# Altium PCB roach2.PcbDoc (part 11 of 39) (continued)
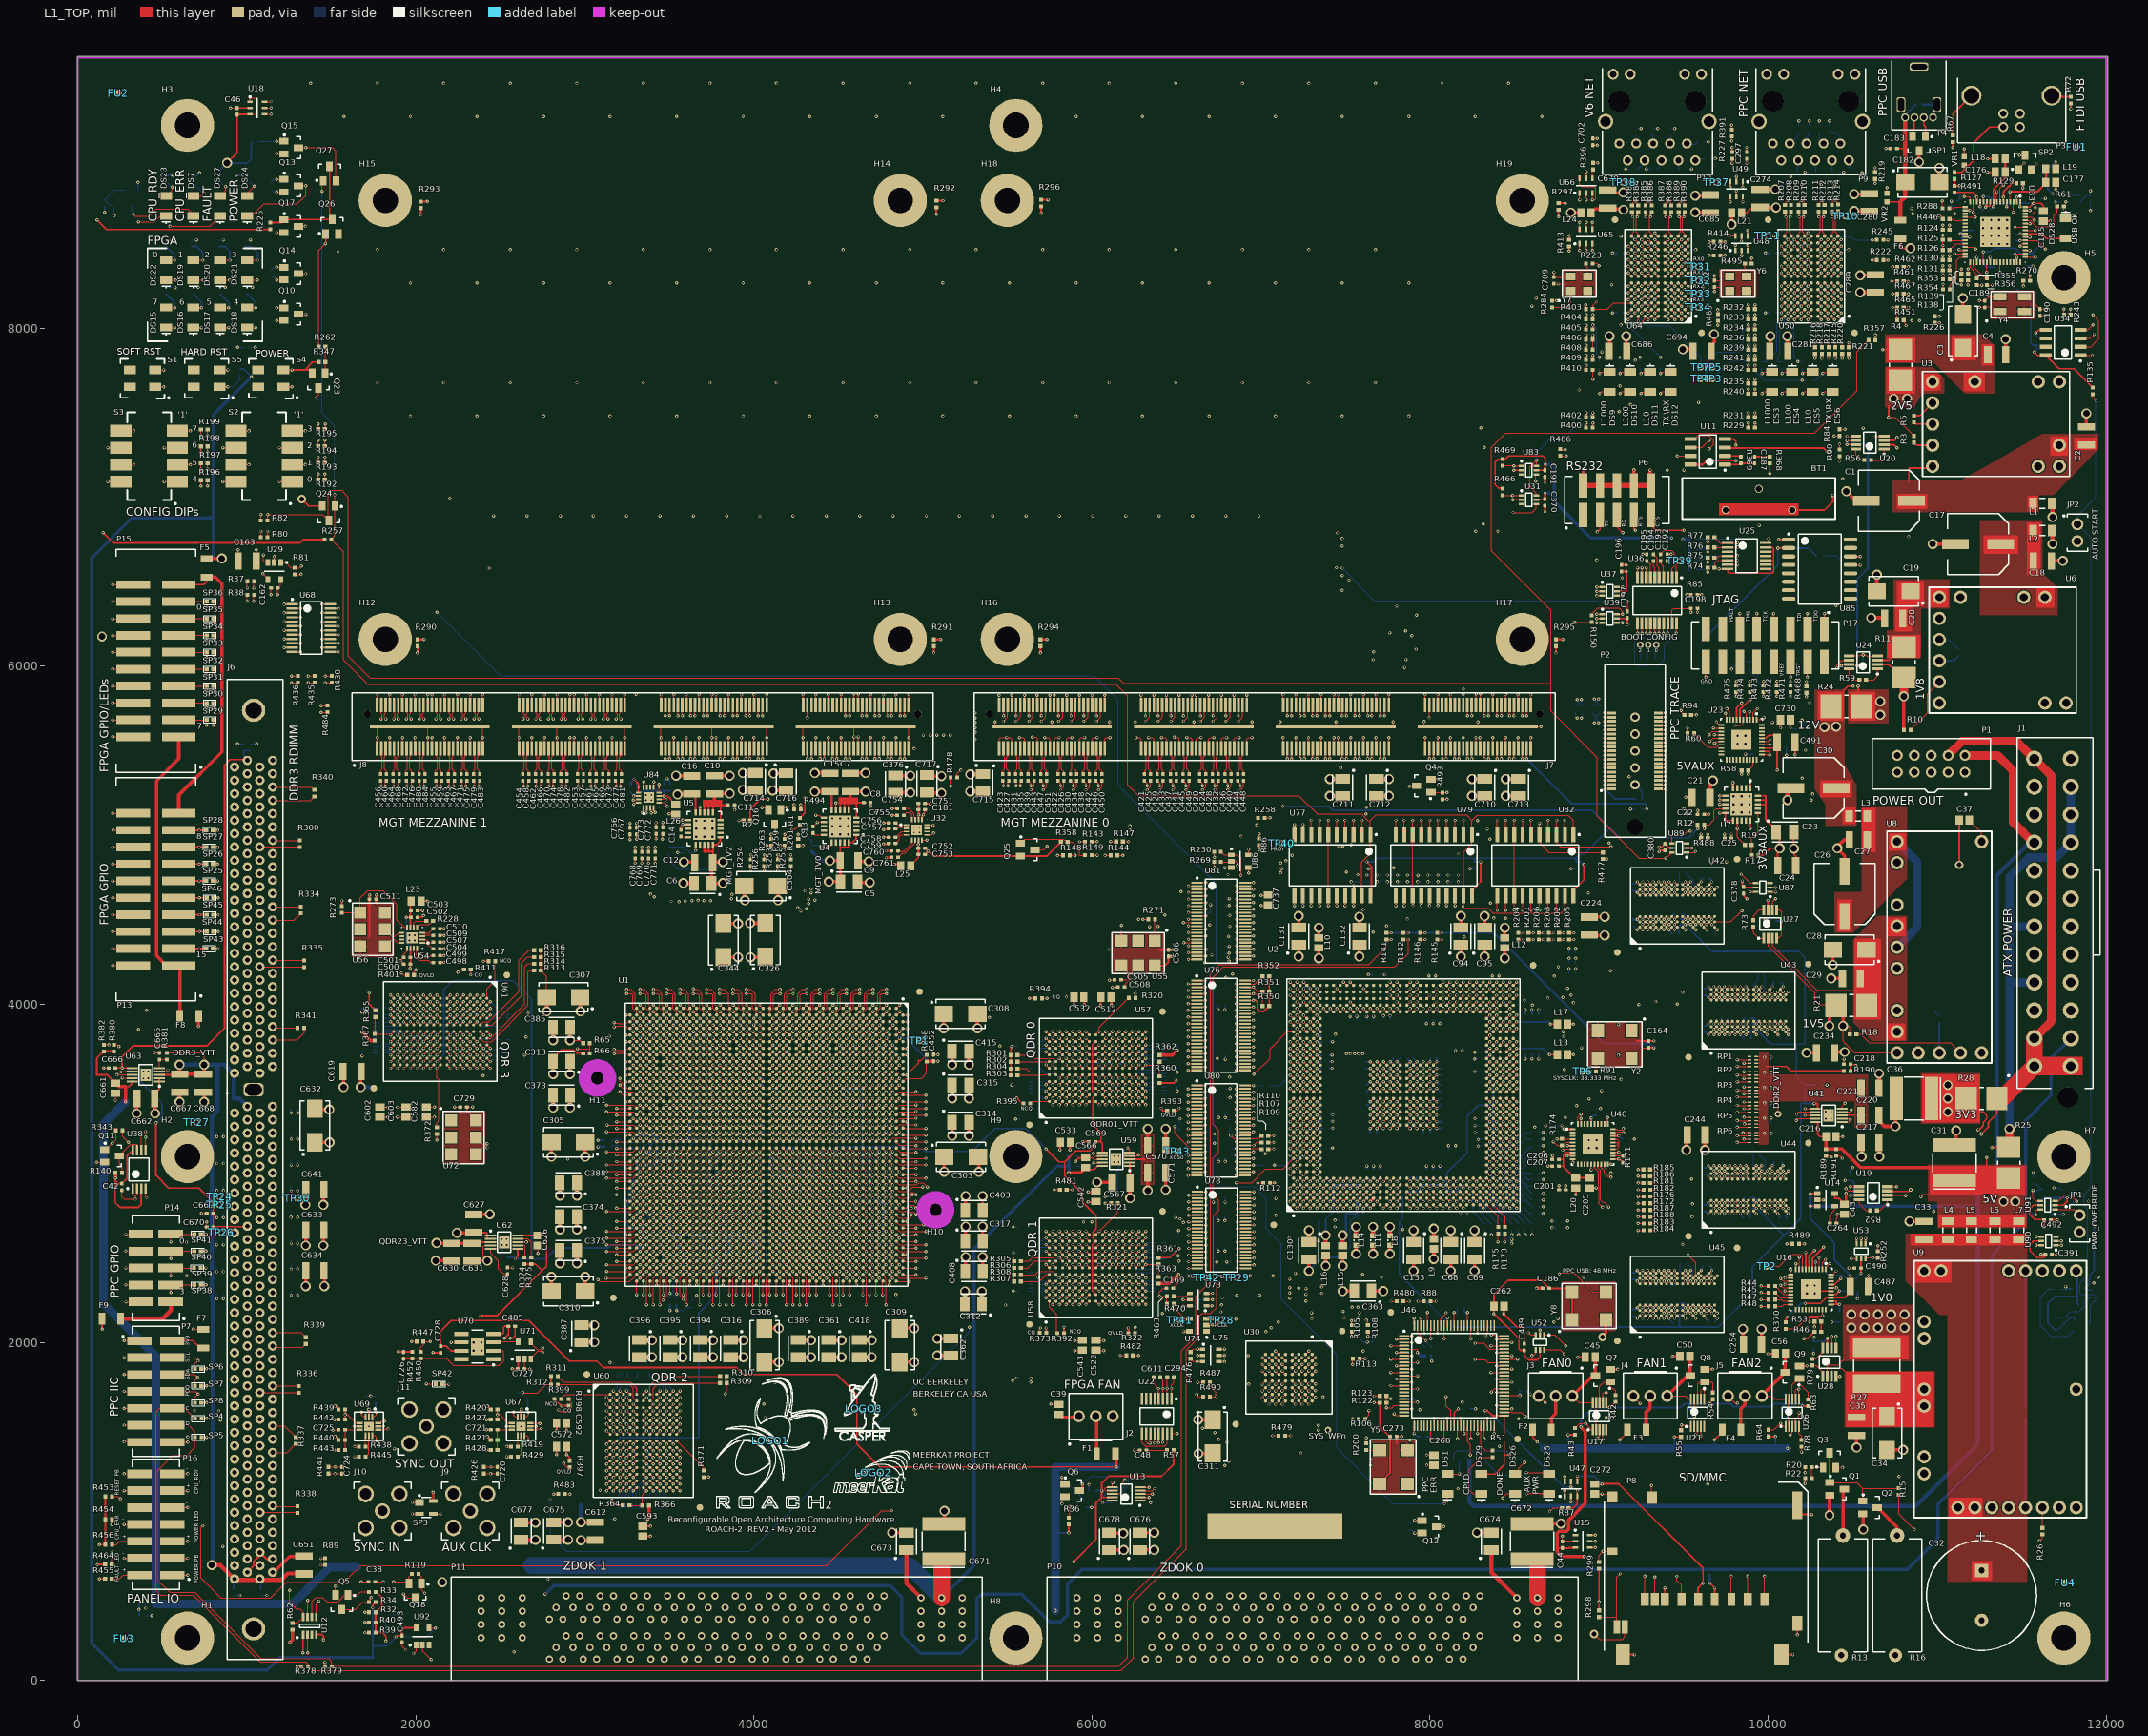
[diagram p0: L1_TOP view]
## Nets (pads, with @x,y where several pads share a name; then routed paths per layer and width w, separated by ;. In a path a pad name is that pad's centre, name@x,y a point inside that pad or via, vN(x,y) a via of type N, cw(c..) or ccw(c..) an arc to the next point about the centre after c; other vN are vias at no path point) (continued)
DDR2.DQS2: U2.AL16 U43.F7 | length 1915.4
  L1_TOP w5: U2.AL16@8374.49,3403.94 v1(8394.17,3384.25) ; v4(9805.12,4041.34) U43.F7@9820.87,4025.59
  L3_S w3.8: v2(9234.99,3998.99) 9250.99,3982.99 9630.39,3982.99 ccw(c9630.39,3986.79) 9634.19,3986.59 ; v4(9805.12,4041.34) 9805.12,3997.12 9790.99,3982.99 9708.99,3982.99 ccw(c9708.99,3978.59) 9704.59,3978.59 9704.59,3977.42 cw(c9700.19,3977.42) 9700.19,3973.02 cw(c9700.19,3977.42) 9695.79,3977.42 9695.79,3986.56 ccw(c9691.39,3986.56) 9691.39,3990.96 ccw(c9691.39,3986.56) 9686.99,3986.56 9686.99,3977.42 cw(c9682.59,3977.42) 9682.59,3973.02 cw(c9682.59,3977.42) 9678.19,3977.42 9678.19,3986.56 ccw(c9673.79,3986.56) 9673.79,3990.96 ccw(c9673.79,3986.56) 9669.39,3986.56 9669.39,3977.42 cw(c9664.99,3977.42) 9664.99,3973.02 cw(c9664.99,3977.42) 9660.59,3977.42 9660.59,3986.56 ccw(c9656.19,3986.56) 9656.19,3990.96 ccw(c9656.19,3986.56) 9651.79,3986.56 9651.79,3977.42 cw(c9647.39,3977.42) 9647.39,3973.02 cw(c9647.39,3977.42) 9642.99,3977.42 9642.99,3986.56 ccw(c9638.59,3986.56) 9638.59,3990.96 ccw(c9638.59,3986.56) 9634.2,3986.77 ; 9634.19,3986.59 ccw(c9630.39,3986.79) 9634.19,3986.77 ; 9634.19,3986.59 cw(c9638.59,3986.56) 9634.2,3986.77 ; 9634.19,3986.59 9634.19,3986.77
  L5_S w3.8: v1(8394.17,3384.25) 8417.94,3408.02 8417.94,3443.94 8438.99,3464.99 8520.99,3464.99 8688.99,3632.99 8889.05,3632.99 9130.59,3874.53 9130.59,3894.59 v2(9234.99,3998.99)
DDR2.DQS3: U2.AM13 U43.B7 | length 1780.8
  L1_TOP w5: U2.AM13@8413.86,3285.83 v1(8433.54,3266.14) ; v4(9679.13,4041.34) U43.B7@9694.88,4025.59
  L3_S w3.8: v2(9334.99,4016.99) 9654.79,4016.99 v4(9679.13,4041.34)
  L5_S w3.8: v1(8433.54,3266.14) 8449.14,3281.74 8541.74,3281.74 8630.99,3370.99 8861.96,3370.99 8905.96,3414.99 9012.99,3414.99 9234.99,3636.99 9234.99,3916.99 v2(9334.99,4016.99)
DDR2.DQS4: U2.AE3 U44.F7 | length 1759.3
  L1_TOP w5: U2.AE3@8138.27,2892.13 v1(8157.95,2872.44) ; v4(9805.12,2982.28) U44.F7@9820.87,2966.54
  L3_S w3.8: v1(8157.95,2872.44) 8176.51,2890.99 8638.99,2890.99 8648.99,2900.99 8904.99,2900.99 8924.99,2880.99 9168.99,2880.99 9208.99,2920.99 9743.83,2920.99 v4(9805.12,2982.28)
DDR2.DQS5: U2.AB4 U44.B7 | length 2068
  L1_TOP w5: U2.AB4@8020.16,2931.5 v1(8039.84,2911.81) ; v4(9679.13,2982.28) U44.B7@9694.88,2966.54
  L3_S w3.8: v1(8039.84,2911.81) 8049.19,2902.46 8049.19,2891.43 8056.99,2883.63 8056.99,2866.99 8068.99,2854.99 8123.2,2854.99 8134.18,2865.98 8134.18,2918.18 8144.99,2928.99 8654.3,2928.99 8664.22,2938.91 8715.08,2938.91 8742.59,2911.39 8809.45,2911.39 8811.05,2912.99 8916.99,2912.99 8939.76,2890.22 9015.25,2890.22 9022.02,2896.99 9154.3,2896.99 9215.9,2958.59 9241.39,2958.59 9252.99,2946.99 9384.99,2946.99 ccw(c9384.99,2951.39) 9389.39,2951.39 9389.39,2954.48 cw(c9393.79,2954.48) 9393.79,2958.88 cw(c9393.79,2954.48) 9398.19,2954.48 9398.19,2933.5 ccw(c9402.59,2933.5) 9402.59,2929.1 ccw(c9402.59,2933.5) 9406.99,2933.5 9406.99,2954.48 cw(c9411.39,2954.48) 9411.39,2958.88 cw(c9411.39,2954.48) 9415.79,2954.48 9415.79,2933.5 ccw(c9420.19,2933.5) 9420.19,2929.1 ccw(c9420.19,2933.5) 9424.59,2933.5 9424.59,2954.48 cw(c9428.99,2954.48) 9428.99,2958.88 cw(c9428.99,2954.48) 9433.39,2954.48 9433.39,2933.5 ccw(c9437.79,2933.5) 9437.79,2929.1 ccw(c9437.79,2933.5) 9442.19,2933.5 9442.19,2954.48 cw(c9446.59,2954.48) 9446.59,2958.88 cw(c9446.59,2954.48) 9450.99,2954.48 9450.99,2933.5 ccw(c9455.39,2933.5) 9455.39,2929.1 ccw(c9455.39,2933.5) 9459.79,2933.5 9459.79,2942.59 cw(c9464.19,2942.59) 9464.19,2946.99 9643.84,2946.99 v4(9679.13,2982.28)
DDR2.DQS6: U2.W4 U45.F7 | length 2025.6
  L1_TOP w5: U2.W4@7902.05,2931.5 v1(7921.73,2911.81) ; v4(9383.86,2362.2) U45.F7@9399.61,2346.46
  L5_S w3.8: v1(7921.73,2911.81) 7940.99,2892.55 7940.99,2791.75 8011.75,2720.99 8052.99,2720.99 8074.99,2698.99 8328.99,2698.99 8374.99,2652.99 8608.99,2652.99 8666.99,2594.99 9032.99,2594.99 ccw(c9032.99,2599.39) 9037.39,2599.39 9037.39,2605.49 cw(c9041.79,2605.49) 9041.79,2609.89 cw(c9041.79,2605.49) 9046.19,2605.49 9046.19,2588.5 ccw(c9050.59,2588.5) 9050.59,2584.1 ccw(c9050.59,2588.5) 9054.99,2588.5 9054.99,2605.49 cw(c9059.39,2605.49) 9059.39,2609.89 cw(c9059.39,2605.49) 9063.79,2605.49 9063.79,2588.5 ccw(c9068.19,2588.5) 9068.19,2584.1 ccw(c9068.19,2588.5) 9072.59,2588.5 9072.59,2605.49 cw(c9076.99,2605.49) 9076.99,2609.89 cw(c9076.99,2605.49) 9081.39,2605.49 9081.39,2588.5 ccw(c9085.79,2588.5) 9085.79,2584.1 ccw(c9085.79,2588.5) 9090.19,2588.5 9090.19,2590.59 cw(c9094.59,2590.59) 9094.59,2594.99 9296.99,2594.99 9399.46,2492.53 9399.46,2378.1 9383.86,2362.5 v4(9383.86,2362.2)
DDR2.DQS7: U2.U4 U45.B7 | length 2145.7
  L1_TOP w5: v1(7803.62,2911.81) U2.U4@7823.31,2931.5 ; v4(9257.87,2362.2) U45.B7@9273.62,2346.46
  L5_S w3.8: v1(7803.62,2911.81) 7850.99,2864.44 7850.99,2764.99 7888.99,2726.99 7930.99,2726.99 7958.99,2698.99 7958.99,2608.99 7974.99,2592.99 8064.99,2592.99 8118.99,2538.99 8824.19,2538.99 cw(c8824.19,2534.59) 8828.59,2534.59 8828.59,2509.36 ccw(c8832.99,2509.36) 8832.99,2504.96 ccw(c8832.99,2509.36) 8837.39,2509.36 8837.39,2542.62 cw(c8841.79,2542.62) 8841.79,2547.02 cw(c8841.79,2542.62) 8846.19,2542.62 8846.19,2509.36 ccw(c8850.59,2509.36) 8850.59,2504.96 ccw(c8850.59,2509.36) 8854.99,2509.36 8854.99,2542.62 cw(c8859.39,2542.62) 8859.39,2547.02 cw(c8859.39,2542.62) 8863.79,2542.62 8863.79,2509.36 ccw(c8868.19,2509.36) 8868.19,2504.96 ccw(c8868.19,2509.36) 8872.59,2509.36 8872.59,2534.59 cw(c8876.99,2534.59) 8876.99,2538.99 9210.99,2538.99 9273.47,2476.51 9273.47,2377.8 v4(9257.87,2362.2)
DDR2.ODT: R285.2 RP6.2 U42.K9 U43.K9 U44.K9 U45.K9 | length 4415.6
  L1_TOP w5: U45.K9@9525.59,2409.45 v4(9541.34,2425.2) ; U42.K9@9525.59,4708.66 v4(9541.34,4724.41) ; v2@9816.99,3221.83 9817.31,3221.83 RP6.2@9889.31,3221.83 RP6.2@9897.31,3221.83 ; U44.K9@9946.85,3029.53 v4(9962.6,3045.28) ; U43.K9@9946.85,4088.58 v4(9962.6,4104.33)
  L5_S w3.8: v2(9817.31,3222.15) 9742.99,3296.46 9742.99,3688.99 9835.49,3781.49 9878.49,3781.49 9895.99,3798.99 9895.99,3957.99 9947,4009 9947,4088.43 9962.6,4104.03 v4(9962.6,4104.33)
  L9_R w3.8: v4(9541.34,2425.2) 9858.13,2741.99 9870.35,2741.99 9901.99,2773.63 9901.99,2885.99 9947,2931 9947,3029.68 v4(9962.6,3045.28)
  L12_S w3.8: v2(9817.31,3222.15) 9836.99,3202.46 9836.99,3195.99 9962.6,3070.39 v4(9962.6,3045.28)
  L14_S w3.8: v2(8813.99,2717.99) 8858.99,2762.99 8904.99,2762.99 9096.99,2954.99 9096.99,3030.99 9288.83,3222.83 9816.62,3222.83 v2(9817.31,3222.15) ; v4(9541.34,4724.41) 9556.94,4708.81 9556.94,4395.05 9643.99,4307.99 9814.99,4307.99 9962.6,4160.39 v4(9962.6,4104.33)
  L16_BOT w5: R285.2@8787.68,2717.99 v2(8813.99,2717.99)
DDR2.RASN: R168.2 RP5.4 U42.K7 U43.K7 U44.K7 U45.K7 | length 4929.7
  L1_TOP w5: U45.K7@9525.59,2346.46 v4(9541.34,2362.2) ; U42.K7@9525.59,4645.67 v4(9541.34,4661.42) ; v2@9817.31,3272.46 RP5.4@9889.31,3272.46 RP5.4@9897.31,3272.46 ; U44.K7@9946.85,2966.54 v4(9962.6,2982.28) ; U43.K7@9946.85,4025.59 v4(9962.6,4041.34)
  L12_S w3.8: v4(9541.34,2362.2) 9541.34,2362.5 9525.74,2378.1 9525.74,2476.74 9729.99,2680.99 9818.99,2680.99 9903.99,2765.99 9903.99,2861.99 9962.6,2920.6 v4(9962.6,2982.28) ; v4(9541.34,4661.42) 9484.68,4604.76 9484.68,4426.3 9723.99,4186.99 9918.99,4186.99 9947,4158.99 9947,4056.94 v4(9962.6,4041.34) 9914.25,3992.99 9868.99,3992.99 9852.51,3976.51 9852.51,3804.51 9756.99,3708.99 9756.99,3333.09 v2(9817.31,3272.78)
  L14_S w3.8: v2(8563.31,2635.31) 8582.99,2654.99 8722.99,2654.99 8788.99,2720.99 8788.99,2744.99 8846.99,2802.99 8890.99,2802.99 8952.99,2864.99 8952.99,2940.99 8964.99,2952.99 9012.99,2952.99 9032.99,2972.99 9032.99,3064.99 9094.99,3126.99 9094.99,3136.99 9231.46,3273.46 v2@9816.62,3273.46 ; v2(9817.31,3272.78) 9861.21,3272.78 9946.99,3186.99 9946.99,2997.89 v4(9962.6,2982.28)
  L16_BOT w5: v2@8562.99,2635.62 R168.2@8562.99,2663.31
DDR2.SN: R286.2 RP6.3 U42.L8 U43.L8 U44.L8 U45.L8 | length 4528
  L1_TOP w5: v2(9525.99,2516.99) 9572.83,2470.15 v4(9572.83,2393.7) U45.L8@9557.09,2377.95 ; U42.L8@9557.09,4677.17 v4(9572.83,4692.91) ; v2@9857.46,3202.15 RP6.3@9889.31,3202.15 ; U44.L8@9978.35,2998.03 v4(9994.09,3013.78) ; U43.L8@9978.35,4057.09 v4(9994.09,4072.83)
  L3_S w3.8: v2(9525.99,2516.99) 9525.99,2520.99 9658.99,2653.99 9821.99,2653.99 9897.99,2729.99 ; 9897.99,2726.99 9897.99,2729.99 ; v4(9994.09,3013.78) 9978.49,2998.18 9978.49,2936.49 9897.99,2855.99 9897.99,2729.99
  L5_S w3.8: v2(9857.46,3202.46) 9857.46,3210.52 9762.99,3304.99 9762.99,3679.99 9850.99,3767.99 9900.99,3767.99 9910.99,3777.99 9910.99,3942.99 9978.49,4010.49 9978.49,4056.94 9994.09,4072.54 v4(9994.09,4072.83)
  L12_S w3.8: v2(9857.46,3202.46) 9900.52,3202.46 9994.09,3108.89 v4(9994.09,3013.78)
  L14_S w3.8: v2(8813.99,2677.99) 8843.99,2677.99 9120.99,2954.99 9120.99,3022.99 9301.15,3203.15 v2@9856.78,3203.15 ; v4(9572.83,4692.91) 9572.83,4692.62 9588.43,4677.02 9588.43,4636.55 9651.72,4573.26 9651.72,4456.26 9704.99,4402.99 9788.99,4402.99 9994.09,4197.89 v4(9994.09,4072.83)
  L16_BOT w5: R286.2@8787.68,2677.99 v2(8813.99,2677.99)
DDR2.WEN: R170.2 RP6.4 U42.K3 U43.K3 U44.K3 U45.K3 | length 5079.2
  L1_TOP w5: U45.K3@9525.59,2220.47 v4(9541.34,2204.72) ; U42.K3@9525.59,4519.68 v4(9541.34,4503.94) ; v2@9816.99,3182.46 RP6.4@9889.31,3182.46 RP6.4@9897.31,3182.46 ; U44.K3@9946.85,2840.55 v4(9962.6,2824.8) ; U43.K3@9946.85,3899.61 v4(9962.6,3883.86)
  L3_S w3.8: v2(9817.31,3182.78) 9793.91,3206.18 9793.91,3681.84 9899.31,3787.24 9899.31,3842.63 9924.64,3867.96 9946.7,3867.96 v4(9962.6,3883.86)
  L8_R w3.8: v4(9541.34,4503.94) 9557.23,4488.04 9557.23,4379.75 9610.99,4325.99 9828.99,4325.99 9947,4207.99 9947,3980.99 9962.6,3965.39 v4(9962.6,3883.86)
  L12_S w3.8: v2(9495,2580) 9482.99,2567.99 9482.99,2263.07 v4(9541.34,2204.72)
  L14_S w3.8: v2(8482.99,2584.99) 8772.99,2584.99 9148.99,2960.99 9148.99,3018.99 9313.46,3183.46 9816.62,3183.46 v2(9817.31,3182.78) 9848.21,3182.78 9904.99,3125.99 9904.99,2882.41 v4(9962.6,2824.8) 9946.7,2808.91 9946.7,2714.7 9928.99,2696.99 9611.99,2696.99 v2(9495,2580)
  L16_BOT w5: R170.2@8402.99,2663.31 8402.99,2662.99 8480.99,2584.99 v2(8482.99,2584.99)
DDR2_VREF: C211.1 C212.2 C213.2 C214.2 C215.2 C219.2 C222.2 C223.2 C232.2 C233.2 C242.2 C243.2 C252.2 C253.2 U2.AF4 U2.AL10 U2.AL19 U2.Y4 U41.6 U42.J2 U43.J2 U44.J2 U45.J2 | length 8595.4
  L1_TOP w5: U2.Y4@7941.42,2931.5 v1(7961.1,2911.81) ; U2.AF4@8177.64,2931.5 v1(8197.32,2911.81) ; U2.AL10@8374.49,3167.72 v1(8394.17,3148.03) ; U2.AL19@8374.49,3522.05 v1(8394.17,3541.73) ; U45.J2@9494.09,2188.98 v4(9509.84,2173.23) ; U42.J2@9494.09,4488.19 v4(9509.84,4472.44) ; U44.J2@9915.35,2809.06 v4(9931.1,2793.31) ; U43.J2@9915.35,3868.11 v4(9931.1,3852.36) ; v2(10218.99,3382.36) U41.6@10277.28,3382.36
  L1_TOP w10: v2(10272.99,3412.99) 10292.99,3412.99 U41.6@10292.99,3382.99
  L16_BOT w10: C214.2@7942.91,2889.76 C214.2@7940.94,2891.73 ; 7947.99,2922.99 7959.17,2911.81 v1(7961.1,2911.81) ; 8098.82,2932.68 8098.82,3002.36 8218.5,3122.05 8218.5,3338.58 8283.46,3403.54 8374.02,3403.54 ; C212.2@8175.2,2931.1 8175.84,2931.1 C212.2@8176.45,2930.49 ; v1@8197.99,2918.99 8197.99,2930.99 8197.88,2931.1 C212.2@8177.17,2931.1 8176.65,2930.59 8176.65,2904.06 8165.7,2893.11 8110.84,2893.11 8098.99,2904.96 8098.99,2930.99 7955,2930.99 7940.94,2916.93 C214.2@7940.94,2891.73 ; C213.2@8372.05,3523.62 C213.2@8374.02,3521.65 8374.02,3403.54 ; C215.2@8374.02,3165.35 8376.85,3165.35 v1(8394.17,3148.03) ; C215.2@8374.02,3167.32 8374.02,3403.54 ; C213.2@8374.02,3523.62 8393.15,3542.76 v1@8393.7,3543.31 ; C222.2@9472.68,4417.99 9472.68,4452.68 C223.2@9477.99,4457.99 ; C253.2@9472.99,2167.99 9475.05,2165.94 C253.2@9475.05,2163.85 ; C223.2@9477.99,4467.99 9478.97,4468.97 9482.44,4472.44 9482.71,4472.44 v4@9508.54,4472.44 ; v4@9507.99,2172.99 9498.85,2163.85 C253.2@9475.05,2163.85 ; v4@9507.99,4472.99 v4@9508.54,4472.44 ; v4(9509.84,4472.44) v4@9508.54,4472.44 ; C242.2@9893.84,2736.52 9893.84,2773.84 C243.2@9897.99,2777.99 ; C232.2@9897.64,3795.28 9897.68,3797.99 9897.68,3844.41 9897.68,3847.68 C233.2@9897.99,3847.99 ; C233.2@9901.01,3844.41 9919.41,3844.41 9927.99,3852.99 9929.86,3851.12 10015.99,3764.99 10167.99,3764.99 ; C243.2@9902.99,2788.31 9902.99,2792.99 9903.31,2793.31 v4(9931.1,2793.31) ; 9907.48,2291.34 9907.48,2292.48 ; 9907.99,2292.99 9907.48,2292.48 ; v4@9932.99,2792.99 10093.31,2632.68 ; v2(10272.99,3412.99) 10217.99,3412.99 ; C219.2@10283.31,3522.99 10217.99,3522.99 ; C214.2@7940.94,2891.73 7864.17,2891.73 7838.58,2866.14 C211.1@7838.58,2734.25 7817.99,2713.66 7817.99,2402.99 8130.43,2090.55 9474.99,2090.55 ; 9474.99,2090.55 9705.55,2090.55 9907.48,2292.48 ; 9474.99,2090.55 9475.05,2090.61 C252.2@9475.05,2114.64 C253.2@9475.05,2163.85 ; v4@9508.54,4472.44 9509.19,4471.79 9665.81,4315.18 9667.99,4312.99 10182.99,4312.99 10217.99,4277.99 10217.99,3766.99 10215.99,3764.99 10167.99,3764.99 ; 9907.48,2292.48 9907.48,2446.85 10093.31,2632.68 ; 10093.31,2632.68 10192.99,2732.36 10192.99,3412.99 10217.99,3412.99 ; 10167.99,3764.99 10167.99,3572.99 10217.99,3522.99 ; 10217.99,3412.99 10217.99,3522.99
DDR2_VTT: C202.2 C203.2 C204.2 C208.2 C209.2 C210.2 C220.2 C221.2 pad.0@10059.06,3350.39 R190.1 RP1.5 RP1.6 RP1.7 RP1.8 RP2.5 RP2.6 RP2.7 RP2.8 RP3.5 RP3.6 RP3.7 RP3.8 RP4.5 RP4.6 RP4.7 RP4.8 RP5.5 RP5.6 RP5.7 RP5.8 RP6.5 RP6.6 RP6.7 RP6.8 U41.3 | length 1326.3
  L1_TOP w5: RP6.5@9928.68,3182.46 9951.36,3182.46 ; RP6.6@9928.68,3202.15 9951.36,3202.15 ; RP6.7@9928.68,3221.83 9951.36,3221.83 ; RP6.8@9928.68,3241.52 9951.36,3241.52 ; RP5.5@9928.68,3272.46 9951.36,3272.46 ; RP5.6@9928.68,3292.15 9951.36,3292.15 ; RP5.7@9928.68,3311.83 9951.36,3311.83 ; RP5.8@9928.68,3331.52 9951.36,3331.52 ; RP4.5@9928.68,3362.46 9951.36,3362.46 ; RP4.6@9928.68,3382.15 9951.36,3382.15 ; RP4.7@9928.68,3401.83 9951.36,3401.83 ; RP4.8@9928.68,3421.52 9951.36,3421.52 ; RP3.5@9928.68,3452.46 9951.36,3452.46 ; RP3.6@9928.68,3472.15 9951.36,3472.15 ; RP3.7@9928.68,3491.83 9951.36,3491.83 ; RP3.8@9928.68,3511.52 9951.36,3511.52 ; RP2.5@9928.68,3542.46 9951.36,3542.46 ; RP2.6@9928.68,3562.15 9951.36,3562.15 ; RP2.7@9928.68,3581.83 9951.36,3581.83 ; RP2.8@9928.68,3601.52 9951.36,3601.52 ; RP1.5@9928.68,3632.46 9951.36,3632.46 ; RP1.6@9928.68,3652.15 9951.36,3652.15 ; RP1.7@9928.68,3671.83 9951.36,3671.83 ; RP1.8@9928.68,3691.52 9951.36,3691.52 ; 10055.12,3437.01 10059.06,3433.07 pad.0@10059.06,3350.39
  L1_TOP w8: 9985.69,3631.63 10108.36,3631.63 10133.99,3605.99 R190.1@10448.31,3605.99 ; U41.3@10438.7,3342.99 10510.99,3342.99
  L16_BOT w5: C203.2@9978.68,3211.99 v8@9978.68,3236.68 ; C202.2@9978.68,3301.99 v8@9978.68,3326.68 ; C204.2@9978.68,3391.99 v8@9978.68,3416.68 ; C208.2@9978.68,3481.99 v8@9978.68,3506.68 ; C209.2@9978.68,3571.99 v8@9978.68,3596.68 ; C210.2@9978.68,3661.99 v8@9978.68,3686.68
  other v8: 9978.99,3236.99 9978.99,3326.99 9978.99,3416.99 9978.99,3506.99 9978.99,3596.99 9978.99,3686.99
DDR3.A0: J6.188 U1.BB38 | length 3145.5
  L1_TOP w5: v2(3188.08,2518.15) U1.BB38@3266.82,2518.15
  L12_S w3.8: J6.188@1077.8,2647.72 1221,2647.72 ccw(c1221,2655.52) 1228.81,2655.52 1228.81,2790.24 cw(c1236.61,2790.24) 1236.61,2798.04 cw(c1236.61,2790.24) 1244.42,2790.24 1244.42,2647.72 1244.42,2614.33 ccw(c1252.22,2614.33) 1252.22,2606.53 ccw(c1252.22,2614.33) 1260.03,2614.33 1260.03,2647.72 1260.03,2710.35 cw(c1267.83,2710.35) 1267.83,2718.16 cw(c1267.83,2710.35) 1275.64,2710.35 1275.64,2647.72 1275.64,2607.05 ccw(c1283.44,2607.05) 1283.44,2599.25 ccw(c1283.44,2607.05) 1291.25,2607.05 1291.25,2647.72 1291.25,2710.57 cw(c1299.05,2710.57) 1299.05,2718.38 cw(c1299.05,2710.57) 1306.86,2710.57 1306.86,2647.72 1306.86,2613.82 ccw(c1314.67,2613.82) 1314.67,2606.01 ccw(c1314.67,2613.82) 1322.47,2613.82 1322.47,2639.91 cw(c1330.28,2639.91) 1330.28,2647.72 1352.27,2647.72 1406.99,2592.99 1406.99,2546.99 1482.99,2470.99 1810.99,2470.99 1856.99,2424.99 2485.28,2424.99 2518.56,2458.28 2793.18,2458.28 2838.32,2503.42 3129.42,2503.42 3144.15,2518.15 v2(3188.08,2518.15)
DDR3.A1: J6.181 U1.BB37 | length 3145.5
  L1_TOP w5: v2(3188.08,2557.52) U1.BB37@3266.82,2557.52
  L12_S w3.8: J6.181@1152.6,2923.31 1330.68,2923.31 1396.99,2856.99 1396.99,2744.99 1600.99,2540.99 1854,2540.99 ccw(c1854,2548.8) 1861.81,2548.8 1861.81,2553.1 cw(c1869.61,2553.1) 1869.61,2560.91 cw(c1869.61,2553.1) 1877.42,2553.1 1877.42,2540.99 1877.42,2471.12 ccw(c1885.22,2471.12) 1885.22,2463.31 ccw(c1885.22,2471.12) 1893.03,2471.12 1893.03,2540.99 1893.03,2553.1 cw(c1900.83,2553.1) 1900.83,2560.91 cw(c1900.83,2553.1) 1908.64,2553.1 1908.64,2540.99 1908.64,2465.46 ccw(c1916.44,2465.46) 1916.44,2457.65 ccw(c1916.44,2465.46) 1924.25,2465.46 1924.25,2533.19 cw(c1932.05,2533.19) 1932.05,2540.99 1933.79,2540.99 1953.79,2520.99 1970,2520.99 ccw(c1970,2528.8) 1977.81,2528.8 1977.81,2555.39 cw(c1985.61,2555.39) 1985.61,2563.19 cw(c1985.61,2555.39) 1993.42,2555.39 1993.42,2520.99 1993.42,2463.17 ccw(c2001.22,2463.17) 2001.22,2455.36 ccw(c2001.22,2463.17) 2009.03,2463.17 2009.03,2520.99 2009.03,2555.39 cw(c2016.83,2555.39) 2016.83,2563.19 cw(c2016.83,2555.39) 2024.64,2555.39 2024.64,2520.99 2024.64,2463.17 ccw(c2032.44,2463.17) 2032.44,2455.36 ccw(c2032.44,2463.17) 2040.25,2463.17 2040.25,2516.24 cw(c2045,2516.24) 2045,2520.99 2164.99,2520.99 2182.99,2538.99 2466.99,2538.99 2486.99,2518.99 2676.99,2518.99 2711.19,2553.19 3044.22,2553.19 3048.55,2557.52 v2(3188.08,2557.52)
DDR3.A2: J6.61 U1.BA37 | length 3145.5
  L1_TOP w5: v2(3129.02,2537.83) 3286.5,2537.83 U1.BA37@3306.19,2557.52
  L12_S w3.8: J6.61@1002.99,2923.31 1102.68,2923.31 1142.99,2882.99 1253.39,2882.99 1256.84,2879.53 1309.14,2879.53 1312.6,2882.99 1350.99,2882.99 1383.42,2850.56 1383.42,2708.56 1584.99,2506.99 ccw(c1584.99,2514.8) 1592.8,2514.8 1592.8,2523.45 cw(c1600.6,2523.45) 1600.6,2531.25 cw(c1600.6,2523.45) 1608.41,2523.45 1608.41,2506.99 1608.41,2488.54 ccw(c1616.21,2488.54) 1616.21,2480.73 ccw(c1616.21,2488.54) 1624.02,2488.54 1624.02,2506.99 1624.02,2523.44 cw(c1631.83,2523.44) 1631.83,2531.25 cw(c1631.83,2523.44) 1639.63,2523.44 1639.63,2506.99 1639.63,2488.54 ccw(c1647.44,2488.54) 1647.44,2480.73 ccw(c1647.44,2488.54) 1655.24,2488.54 1655.24,2506.99 1655.24,2523.44 cw(c1663.05,2523.44) 1663.05,2531.25 cw(c1663.05,2523.44) 1670.85,2523.44 1670.85,2506.99 1670.85,2488.54 ccw(c1678.66,2488.54) 1678.66,2480.73 ccw(c1678.66,2488.54) 1686.46,2488.54 1686.46,2499.19 cw(c1694.27,2499.19) 1694.27,2506.99 1702.07,2506.99 1704.99,2506.99 cw(c1704.99,2499.19) 1712.8,2499.19 1712.8,2488.54 ccw(c1720.6,2488.54) 1720.6,2480.73 ccw(c1720.6,2488.54) 1728.41,2488.54 1728.41,2506.99 1728.41,2523.44 cw(c1736.21,2523.44) 1736.21,2531.25 cw(c1736.21,2523.44) 1744.02,2523.44 1744.02,2506.99 1744.02,2488.54 ccw(c1751.83,2488.54) 1751.83,2480.73 ccw(c1751.83,2488.54) 1759.63,2488.54 1759.63,2506.99 1759.63,2523.44 cw(c1767.44,2523.44) 1767.44,2531.25 cw(c1767.44,2523.44) 1775.24,2523.44 1775.24,2506.99 1775.24,2488.54 ccw(c1783.05,2488.54) 1783.05,2480.73 ccw(c1783.05,2488.54) 1790.85,2488.54 1790.85,2499.19 cw(c1798.66,2499.19) 1798.66,2506.99 1824.99,2506.99 1884.42,2447.56 2153.56,2447.56 2230.99,2524.99 2454.99,2524.99 2480.99,2498.99 2500.99,2498.99 2526.99,2472.99 2728.99,2472.99 2793.83,2537.83 v2(3129.02,2537.83)
DDR3.A3: J6.180 U1.BA36 | length 3145.5
  L1_TOP w5: v2(3129.02,2577.2) 3286.5,2577.2 U1.BA36@3306.19,2596.89
  L12_S w3.8: J6.180@1077.8,2962.68 1079.69,2960.79 1309.2,2960.79 1406.99,2862.99 1406.99,2760.99 1596.99,2570.99 1616,2570.99 ccw(c1616,2578.8) 1623.81,2578.8 1623.81,2583.08 cw(c1631.61,2583.08) 1631.61,2590.89 cw(c1631.61,2583.08) 1639.42,2583.08 1639.42,2570.99 1639.42,2556.9 ccw(c1647.22,2556.9) 1647.22,2549.1 ccw(c1647.22,2556.9) 1655.03,2556.9 1655.03,2570.99 1655.03,2583.08 cw(c1662.83,2583.08) 1662.83,2590.89 cw(c1662.83,2583.08) 1670.64,2583.08 1670.64,2570.99 1670.64,2556.9 ccw(c1678.44,2556.9) 1678.44,2549.1 ccw(c1678.44,2556.9) 1686.25,2556.9 1686.25,2570.99 1686.25,2583.08 cw(c1694.05,2583.08) 1694.05,2590.89 cw(c1694.05,2583.08) 1701.86,2583.08 1701.86,2570.99 1701.86,2556.9 ccw(c1709.67,2556.9) 1709.67,2549.1 ccw(c1709.67,2556.9) 1717.47,2556.9 1717.47,2570.99 1717.47,2583.08 cw(c1725.28,2583.08) 1725.28,2590.89 cw(c1725.28,2583.08) 1733.08,2583.08 1733.08,2570.99 1733.08,2556.9 ccw(c1740.89,2556.9) 1740.89,2549.1 ccw(c1740.89,2556.9) 1748.69,2556.9 1748.69,2570.99 1748.69,2583.08 cw(c1756.5,2583.08) 1756.5,2590.89 cw(c1756.5,2583.08) 1764.3,2583.08 1764.3,2570.99 1764.3,2556.9 ccw(c1772.11,2556.9) 1772.11,2549.1 ccw(c1772.11,2556.9) 1779.92,2556.9 1779.92,2570.99 1779.92,2583.08 cw(c1787.72,2583.08) 1787.72,2590.89 cw(c1787.72,2583.08) 1795.53,2583.08 1795.53,2570.99 1795.53,2556.9 ccw(c1803.33,2556.9) 1803.33,2549.1 ccw(c1803.33,2556.9) 1811.14,2556.9 1811.14,2570.99 1811.14,2583.08 cw(c1818.94,2583.08) 1818.94,2590.89 cw(c1818.94,2583.08) 1826.75,2583.08 1826.75,2570.99 1826.75,2556.9 ccw(c1834.55,2556.9) 1834.55,2549.1 ccw(c1834.55,2556.9) 1842.36,2556.9 1842.36,2570.99 1842.36,2583.08 cw(c1850.16,2583.08) 1850.16,2590.89 cw(c1850.16,2583.08) 1857.97,2583.08 1857.97,2578.8 ccw(c1865.78,2578.8) 1865.78,2570.99 ccw(c1865.78,2578.8) 1873.58,2578.8 1873.58,2583.08 cw(c1881.39,2583.08) 1881.39,2590.89 cw(c1881.39,2583.08) 1889.19,2583.08 1889.19,2578.8 ccw(c1897,2578.8) 1897,2570.99 ccw(c1897,2578.8) 1904.8,2578.8 1904.8,2583.08 cw(c1912.61,2583.08) 1912.61,2590.89 cw(c1912.61,2583.08) 1920.41,2583.08 1920.41,2570.99 1920.41,2556.58 ccw(c1928.22,2556.58) 1928.22,2548.78 ccw(c1928.22,2556.58) 1936.03,2556.58 1936.03,2570.99 1936.03,2583.08 cw(c1943.83,2583.08) 1943.83,2590.89 cw(c1943.83,2583.08) 1951.64,2583.08 1951.64,2578.8 ccw(c1959.44,2578.8) 1959.44,2570.99 2009.03,2570.99 2030.99,2570.99 2068.99,2532.99 2156.99,2532.99 2170.99,2546.99 2476.99,2546.99 2490.99,2532.99 2664.99,2532.99 2692.99,2560.99 3040.99,2560.99 3057.2,2577.2 v2(3129.02,2577.2)
DDR3.A4: J6.59 U1.BB36 | length 3145.5
  L1_TOP w5: v2(3188.08,2596.89) U1.BB36@3266.82,2596.89
  L12_S w3.8: J6.59@1002.99,3002.05 1004.88,3000.16 1107.17,3000.16 1138.74,2968.59 1329.4,2968.59 1417.92,2880.07 1417.92,2772.07 1446.39,2743.6 ccw(c1451.91,2749.12) 1457.43,2743.6 1499.19,2785.36 cw(c1504.71,2779.84) 1510.23,2785.36 cw(c1504.71,2779.84) 1510.23,2774.33 1462.95,2727.04 ccw(c1468.43,2721.55) 1462.95,2716.07 1463.01,2716 ccw(c1468.5,2721.49) 1473.98,2716 1521.27,2763.29 cw(c1526.79,2757.77) 1532.31,2763.29 cw(c1526.79,2757.77) 1532.31,2752.25 1485.02,2704.96 ccw(c1490.51,2699.48) 1485.02,2693.99 1485.09,2693.92 ccw(c1490.58,2699.41) 1496.06,2693.92 1543.35,2741.21 cw(c1548.87,2735.69) 1554.39,2741.21 cw(c1548.87,2735.69) 1554.39,2730.17 1507.1,2682.88 ccw(c1512.59,2677.4) 1507.1,2671.91 1507.17,2671.85 ccw(c1512.65,2677.33) 1518.14,2671.85 1565.43,2719.13 cw(c1570.94,2713.61) 1576.46,2719.13 cw(c1570.94,2713.61) 1576.46,2708.09 1534.7,2666.33 ccw(c1540.22,2660.81) 1534.7,2655.29 1590.99,2598.99 1949.39,2598.99 2024.99,2598.99 2082.99,2540.99 2146.99,2540.99 2166.99,2560.99 2476.99,2560.99 2493.62,2544.36 2554.36,2544.36 2570.99,2560.99 2668.99,2560.99 2682.99,2574.99 3014.99,2574.99 3036.89,2596.89 v2(3188.08,2596.89)
DDR3.A5: J6.58 U1.BA35 | length 3145.5
  L1_TOP w5: v2(3129.02,2616.57) 3286.5,2616.57 U1.BA35@3306.19,2636.26
  L12_S w3.8: J6.58@928.19,3041.42 1030.48,3041.42 1063.94,3007.96 1111.19,3007.96 1138.74,3035.51 1206.48,3035.51 1240.99,3000.99 1322.99,3000.99 1503.02,2820.97 ccw(c1508.53,2826.49) 1514.05,2820.97 1518.95,2825.87 cw(c1524.47,2820.35) 1529.99,2825.87 cw(c1524.47,2820.35) 1529.99,2814.83 1525.09,2809.93 ccw(c1530.61,2804.41) 1525.09,2798.89 1544.99,2778.99 1612.86,2711.12 ccw(c1615.97,2714.24) 1619.08,2711.12 1642.34,2734.38 ; v2(3129.02,2616.57) 3036.57,2616.57 3002.99,2582.99 2672.99,2582.99 2662.99,2572.99 2568.07,2572.99 2547.24,2552.16 2500.3,2552.16 2479.47,2572.99 2158.09,2572.99 2137.67,2552.56 2091.42,2552.56 2020.99,2622.99 1700.99,2622.99 1650.2,2673.79 cw(c1653.31,2676.9) 1650.2,2680.01 1673.45,2703.26 ccw(c1670.34,2706.38) 1673.45,2709.49 ccw(c1670.34,2706.38) 1667.23,2709.49 1640.86,2683.12 1605.56,2647.82 cw(c1602.45,2650.93) 1599.33,2647.82 cw(c1602.45,2650.93) 1599.33,2654.04 1634.64,2689.35 1661,2715.71 ; 1642.34,2734.38 cw(c1645.45,2731.27) 1648.56,2734.38 ; 1642.34,2734.38 cw(c1645.45,2731.27) 1648.56,2734.38 ; 1648.56,2734.38 cw(c1645.45,2731.27) 1648.56,2728.15 1622.19,2701.79 1586.89,2666.49 ccw(c1590,2663.37) 1586.89,2660.26 ccw(c1590,2663.37) 1593.11,2660.26 1628.42,2695.57 1654.78,2721.93 cw(c1657.89,2718.82) 1661,2721.93 ; 1661,2715.71 ccw(c1657.89,2718.82) 1661,2721.93 ; 1661,2715.71 ccw(c1657.89,2718.82) 1661,2721.93
DDR3.A6: J6.178 U1.AW36 | length 3127.6
  L1_TOP w5: v1(3365.24,2577.2) U1.AW36@3384.93,2596.89
  L12_S w3.8: J6.178@1077.8,3041.42 1115.42,3041.42 1121.33,3047.33 1218.66,3047.33 1248.99,3016.99 1330.99,3016.99 1486.99,2860.99 1540.99,2860.99 ; 1538.99,2862.99 1540.99,2860.99 ; v1(3365.24,2577.2) 3341.47,2600.97 3251.01,2600.97 3211.64,2640.34 3036.34,2640.34 2994.99,2598.99 2826.99,2598.99 2762.99,2662.99 2646.99,2662.99 2553.15,2569.15 2553.15,2569.1 2544.01,2559.96 2503.53,2559.96 2478.5,2584.99 2192.99,2584.99 2140.99,2636.99 1764.99,2636.99 1639.27,2762.71 ; 1540.99,2860.99 1589.49,2812.49 cw(c1586.38,2809.38) 1589.49,2806.27 1565.13,2781.91 ccw(c1568.24,2778.79) 1565.13,2775.68 ; 1565.13,2775.68 ccw(c1568.24,2778.79) 1571.35,2775.68 ; 1565.13,2775.68 ccw(c1568.24,2778.79) 1571.35,2775.68 ; 1571.35,2775.68 1613.3,2817.63 cw(c1616.41,2814.52) 1619.52,2817.63 cw(c1616.41,2814.52) 1619.52,2811.41 1605.05,2796.94 1577.57,2769.46 ccw(c1580.68,2766.35) 1577.57,2763.24 ccw(c1580.68,2766.35) 1583.8,2763.24 1625.75,2805.19 cw(c1628.86,2802.08) 1631.97,2805.19 ; 1631.97,2798.97 ccw(c1628.86,2802.08) 1631.97,2805.19 ; 1631.97,2798.97 ccw(c1628.86,2802.08) 1631.97,2805.19 ; 1631.97,2798.97 1617.49,2784.49 1590.02,2757.02 ccw(c1593.13,2753.9) 1590.02,2750.79 ccw(c1593.13,2753.9) 1596.24,2750.79 1638.19,2792.74 ; 1633.05,2762.71 cw(c1636.16,2759.6) 1639.27,2762.71 ; 1633.05,2762.71 cw(c1636.16,2759.6) 1639.27,2762.71 ; 1633.05,2762.71 1608.69,2738.35 cw(c1605.57,2741.46) 1602.46,2738.35 cw(c1605.57,2741.46) 1602.46,2744.57 1629.94,2772.05 1644.41,2786.52 ccw(c1641.3,2789.63) 1644.41,2792.74 ; 1638.19,2792.74 cw(c1641.3,2789.63) 1644.41,2792.74 ; 1638.19,2792.74 cw(c1641.3,2789.63) 1644.41,2792.74
DDR3.A7: J6.56 U1.AY35 | length 3145.5
  L1_TOP w5: v1(3325.87,2616.57) U1.AY35@3345.56,2636.26
  L12_S w3.8: J6.56@928.19,3120.16 1030.48,3120.16 1063.94,3086.7 1111.19,3086.7 1138.74,3114.25 1191.74,3114.25 1194.99,3110.99 1326.99,3110.99 1474.99,2962.99 1562.99,2962.99 1645.89,2880.1 ; v1(3325.87,2616.57) 3297.41,2616.57 3256.99,2656.99 3150.04,2656.99 3135.49,2671.54 3027.4,2671.54 2988.42,2632.56 2829.42,2632.56 2772.99,2688.99 2562.99,2688.99 2496.99,2622.99 2369.85,2622.99 2359.42,2612.56 2227.42,2612.56 2174.99,2664.99 1860.99,2664.99 1853.49,2672.49 1846.61,2679.37 cw(c1852.13,2684.89) 1846.61,2690.41 1851.51,2695.31 ccw(c1845.99,2700.83) 1851.51,2706.35 ccw(c1845.99,2700.83) 1840.47,2706.35 1835.57,2701.45 cw(c1830.05,2706.97) 1824.53,2701.45 1677,2848.98 ccw(c1673.89,2845.87) 1670.78,2848.98 1647.12,2825.33 ; 1640.9,2825.33 cw(c1644.01,2828.44) 1640.9,2831.55 1667.67,2858.32 1699.44,2890.09 ccw(c1696.32,2893.2) 1699.44,2896.31 ccw(c1696.32,2893.2) 1693.21,2896.31 1661.44,2864.54 1634.67,2837.77 cw(c1631.56,2840.88) 1628.45,2837.77 cw(c1631.56,2840.88) 1628.45,2843.99 1686.99,2902.53 ccw(c1683.88,2905.64) 1686.99,2908.75 ccw(c1683.88,2905.64) 1680.77,2908.75 1652.11,2880.1 ; 1640.9,2825.33 ccw(c1644.01,2828.44) 1647.12,2825.33 ; 1640.9,2825.33 ccw(c1644.01,2828.44) 1647.12,2825.33 ; 1645.89,2880.1 ccw(c1649,2883.21) 1652.11,2880.1 ; 1645.89,2880.1 ccw(c1649,2883.21) 1652.11,2880.1